# Altium PCB PCB_Kasli.PCBDOC (part 3 of 14) (continued)
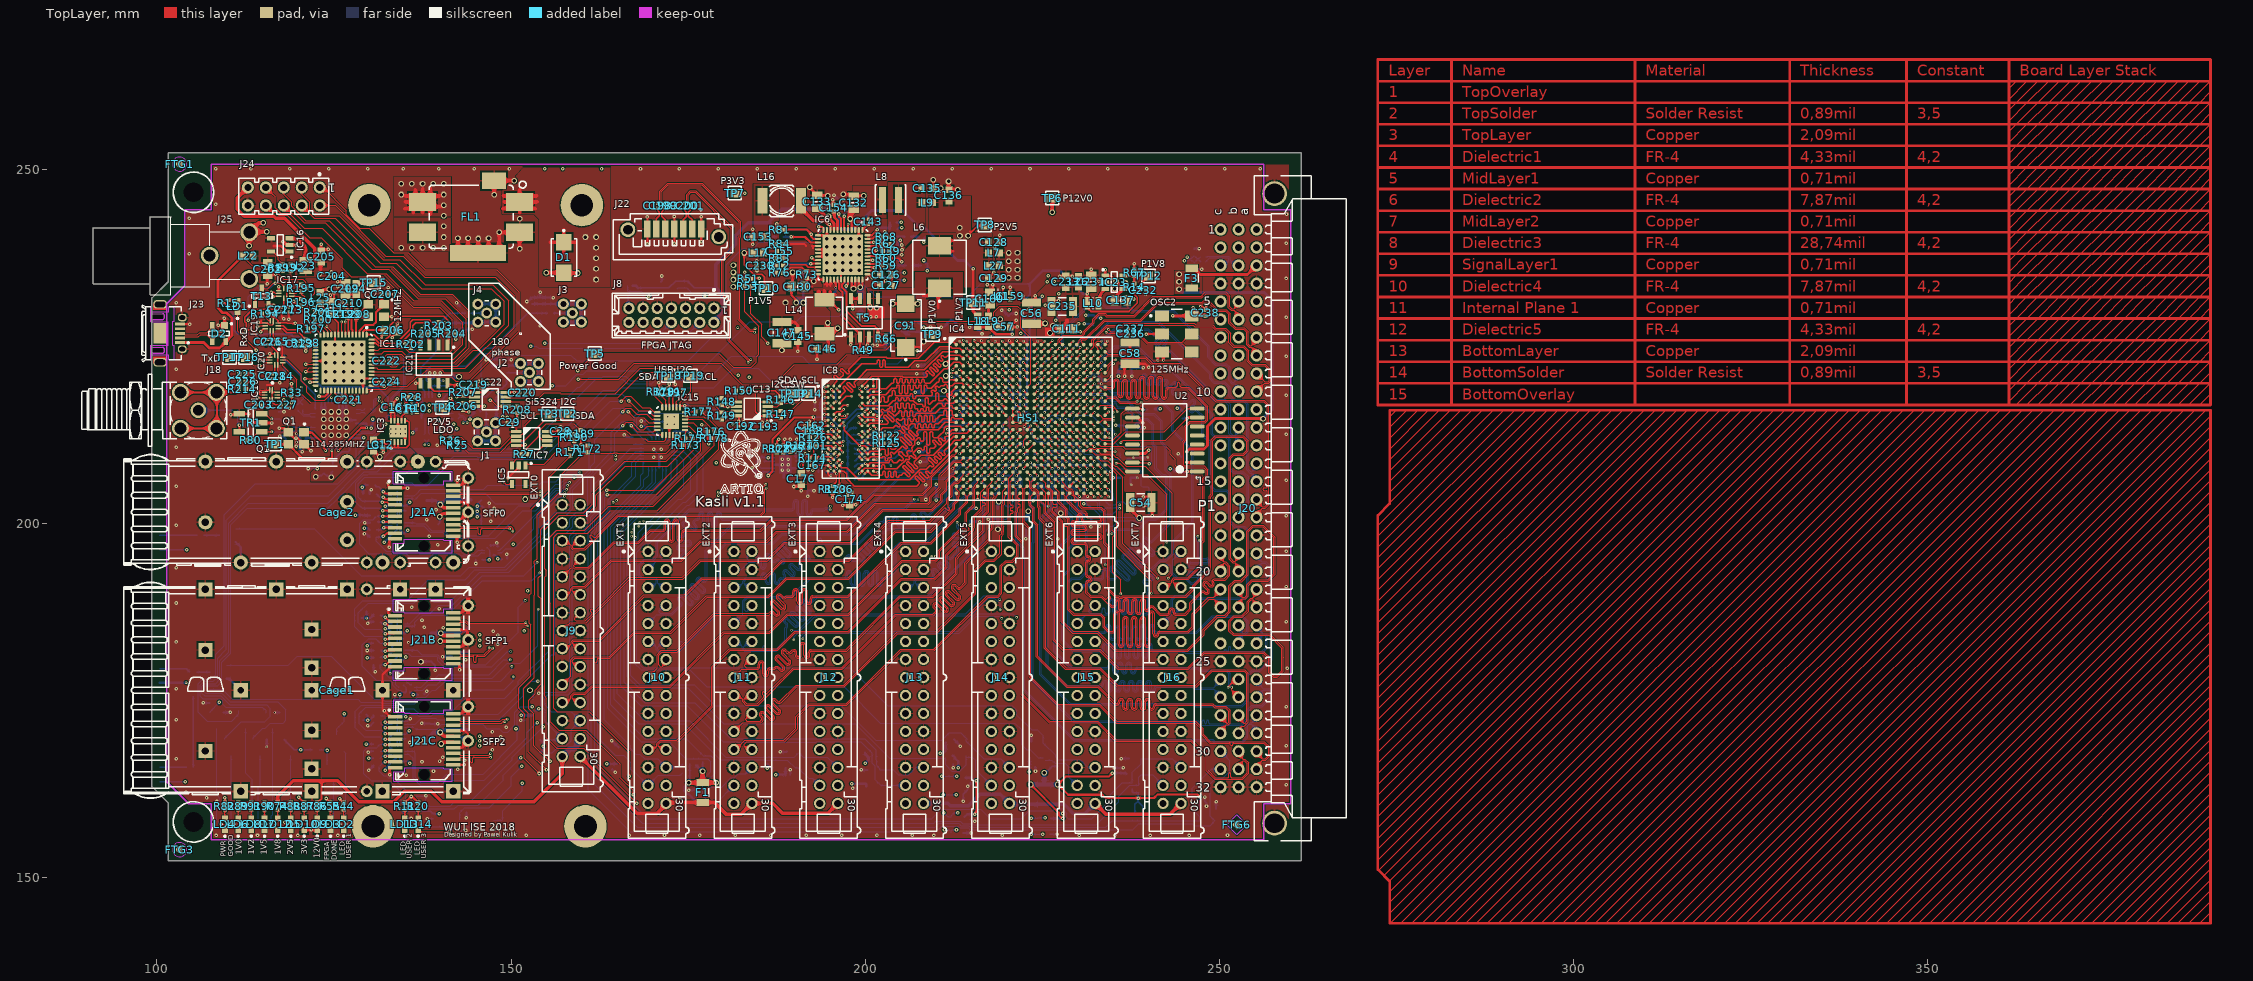
[diagram p0: TopLayer view]
## Part data (continued)
R1 R2 R27 R33 R51 R58 R72 R73 R127 R128 R129 R130A R130B R130C R134A R134B R134C R137A R137B R137C R138A R138B R138C R144A R144B R144C R145A R145B R145C R150 R192 R194 R195 R196 R197 R198 R201 R202 R203 R204 R208 R209 R210 R211 R212A R212B R212C R213A R213B R213C: library part R0402_10K_1%_0.0625W_100PPM, "Resistor - 1%", Case=0402, Manufacturer=GENERIC, Manufacturer1 ComponentHeight=0.4mm, Manufacturer1 Example="YAGEO PHYCOMP", Manufacturer1 Part Number=232270671003L, Power=0.0625W, Tolerance=±1%, Author="CERN DEM JLC", Component Type=Standard, CreateDate=03.12.2007, HelpURL=\\cern.ch\dfs\Applications\Altium\Datasheets\R0402_Phycomp_RC0402.pdf, LatestRevisionDate=17.10.2012, Manufacturer Part Number=R0402_10K_1%_0.0625W_100PPM, Mounted=Yes, Part Description="General Purpose Thick Film Chip Resistor", Part Number=R0402_10K_1%_0.0625W_100PPM, Pin Count=2, PressFit=No, Sense=No, SMD=Yes, Socket=No, Status="Not Recommended", TC=±100ppm/°C
  R58: ClassName=FPGA_JTAG
R3 R9 R191: library part R0402_100R_1%_0.0625W_100PPM, "Resistor - 1%", Case=0402, Manufacturer=GENERIC, Manufacturer1 ComponentHeight=0.4mm, Manufacturer1 Example="YAGEO PHYCOMP", Manufacturer1 Part Number=232270671001L, Power=0.0625W, Tolerance=±1%, Author="CERN DEM JLC", Component Type=Standard, CreateDate=03.12.2007, HelpURL=\\cern.ch\dfs\Applications\Altium\Datasheets\R0402_Phycomp_RC0402.pdf, LatestRevisionDate=17.10.2012, Manufacturer Part Number=R0402_100R_1%_0.0625W_100PPM, Mounted=Yes, Part Description="General Purpose Thick Film Chip Resistor", Part Number=R0402_100R_1%_0.0625W_100PPM, Pin Count=2, PressFit=No, Sense=No, SMD=Yes, Socket=No, Status="Not Recommended", TC=±100ppm/°C
  R191: ClassName=Artix
R4 R6 R7 R8 R16 R18 R21 R22 R24 R38 R39: library part R0402_200R_1%_0.0625W_100PPM, "Resistor - 1%", Case=0402, Manufacturer=GENERIC, Manufacturer1 ComponentHeight=0.4mm, Manufacturer1 Example="YAGEO PHYCOMP", Manufacturer1 Part Number=232270672001L, Power=0.0625W, Tolerance=±1%, Author="CERN DEM JLC", Component Type=Standard, CreateDate=03.12.2007, HelpURL=\\cern.ch\dfs\Applications\Altium\Datasheets\R0402_Phycomp_RC0402.pdf, LatestRevisionDate=17.10.2012, Manufacturer Part Number=R0402_200R_1%_0.0625W_100PPM, Mounted=Yes, Part Description="General Purpose Thick Film Chip Resistor", Part Number=R0402_200R_1%_0.0625W_100PPM, Pin Count=2, PressFit=No, Sense=No, SMD=Yes, Socket=No, Status="Not Recommended", TC=±100ppm/°C
R10 R14 R68 R83: library part R0402_24K_1%_0.0625W_100PPM, "Resistor - 1%", Case=0402, Manufacturer=GENERIC, Manufacturer1 ComponentHeight=0.4mm, Manufacturer1 Example="YAGEO PHYCOMP", Manufacturer1 Part Number=232270672403L, Power=0.0625W, Tolerance=±1%, Author="CERN DEM JLC", Component Type=Standard, CreateDate=03.12.2007, HelpURL=\\cern.ch\dfs\Applications\Altium\Datasheets\R0402_Phycomp_RC0402.pdf, LatestRevisionDate=17.10.2012, Manufacturer Part Number=R0402_24K_1%_0.0625W_100PPM, Mounted=Yes, Part Description="General Purpose Thick Film Chip Resistor", Part Number=R0402_24K_1%_0.0625W_100PPM, Pin Count=2, PressFit=No, Sense=No, SMD=Yes, Socket=No, Status="Not Recommended", TC=±100ppm/°C
R11 R15 R20 R44 R55 R82 R87: library part R0402_1k_1%_0.0625W_100PPM, "Resistor - 1%", Case=0402, Manufacturer=GENERIC, Manufacturer1 ComponentHeight=0.4mm, Manufacturer1 Example="YAGEO PHYCOMP", Manufacturer1 Part Number=232270671002L, Manufacturer Part Number=R0402_1K_1%_0.0625W_100PPM, Power=0.0625W, Tolerance=±1%, Author="CERN DEM JLC", Component Type=Standard, CreateDate=03.12.2007, HelpURL=\\cern.ch\dfs\Applications\Altium\Datasheets\R0402_Phycomp_RC0402.pdf, LatestRevisionDate=17.10.2012, Mounted=Yes, Part Description="General Purpose Thick Film Chip Resistor", Part Number=R0402_1K_1%_0.0625W_100PPM, Pin Count=2, PressFit=No, Sense=No, SMD=Yes, Socket=No, Status="Not Recommended", TC=±100ppm/°C
  R11 R20 R44 R55: ClassName=Artix
R12: library part R0402_5K6_1%_0.0625W_100PPM, "Resistor - 1%", Case=0402, Manufacturer=GENERIC, Manufacturer1 ComponentHeight=0.4mm, Manufacturer1 Example="YAGEO PHYCOMP", Manufacturer1 Part Number=232270675602L, Power=0.0625W, Tolerance=±1%, Author="CERN DEM JLC", Component Type=Standard, CreateDate=03.12.2007, HelpURL=\\cern.ch\dfs\Applications\Altium\Datasheets\R0402_Phycomp_RC0402.pdf, LatestRevisionDate=17.10.2012, Manufacturer Part Number=R0402_5K6_1%_0.0625W_100PPM, Mounted=Yes, Part Description="General Purpose Thick Film Chip Resistor", Part Number=R0402_5K6_1%_0.0625W_100PPM, Pin Count=2, PressFit=No, Sense=No, SMD=Yes, Socket=No, Status="Not Recommended", TC=±100ppm/°C
R13 R46 R47 R48 R53 R54 R56 R80 R152 R153 R154 R177 R179 R181: library part R0402_0R_JUMPER, "Resistor", Case=0402, Manufacturer=GENERIC, Manufacturer1 ComponentHeight=0.4mm, Manufacturer1 Example="YAGEO PHYCOMP", Manufacturer1 Part Number=232270591001L, Author="CERN DEM JLC", Component Type=Standard, CreateDate=03.12.2007, HelpURL=\\cern.ch\dfs\Applications\Altium\Datasheets\R0402_Phycomp_RC0402.pdf, LatestRevisionDate=17.10.2012, Manufacturer Part Number=R0402_0R_JUMPER, Mounted=Yes, Part Description="1A (0.05R Max DC Resistance) Zero Ohm Jumper", Part Number=R0402_0R_JUMPER, Pin Count=2, PressFit=No, Sense=No, SMD=Yes, Socket=No, Status="Not Recommended"
  R46 R47 R48 R53 R54 R56: ClassName=Artix
R17 R61: library part R0402_4K7_1%_0.0625W_100PPM, "Resistor - 1%", Case=0402, Manufacturer=GENERIC, Manufacturer1 ComponentHeight=0.4mm, Manufacturer1 Example="YAGEO PHYCOMP", Manufacturer1 Part Number=232270674702L, Power=0.0625W, Tolerance=±1%, Author="CERN DEM JLC", Component Type=Standard, CreateDate=03.12.2007, HelpURL=\\cern.ch\dfs\Applications\Altium\Datasheets\R0402_Phycomp_RC0402.pdf, LatestRevisionDate=17.10.2012, Manufacturer Part Number=R0402_4K7_1%_0.0625W_100PPM, Mounted=Yes, Part Description="General Purpose Thick Film Chip Resistor", Part Number=R0402_4K7_1%_0.0625W_100PPM, Pin Count=2, PressFit=No, Sense=No, SMD=Yes, Socket=No, Status="Not Recommended", TC=±100ppm/°C
R19 R23 R25 R26 R45 R94 R95 R96 R146 R147 R148 R149 R151 R155 R156 R157 R158 R159 R160 R161 R162 R163 R164 R165 R166 R167 R168 R169 R170 R171 R172 R173 R175 R176 R178 R180 R182 R183 R184 R185 R186 R187 R188 R189 R190 R193 R200 R205 R206 R207: library part R0402_2K2_1%_0.0625W_100PPM, "Resistor - 1%", Case=0402, Manufacturer=GENERIC, Manufacturer1 ComponentHeight=0.4mm, Manufacturer1 Example="YAGEO PHYCOMP", Manufacturer1 Part Number=232270672202L, Power=0.0625W, Tolerance=±1%, Author="CERN DEM JLC", Component Type=Standard, CreateDate=03.12.2007, HelpURL=\\cern.ch\dfs\Applications\Altium\Datasheets\R0402_Phycomp_RC0402.pdf, LatestRevisionDate=17.10.2012, Manufacturer Part Number=R0402_2K2_1%_0.0625W_100PPM, Mounted=Yes, Part Description="General Purpose Thick Film Chip Resistor", Part Number=R0402_2K2_1%_0.0625W_100PPM, Pin Count=2, PressFit=No, Sense=No, SMD=Yes, Socket=No, Status="Not Recommended", TC=±100ppm/°C
  R19 R23 R45 R94 R95 R96: ClassName=Artix
R28 R42 R43 R52: library part R0402_1K_1%_0.0625W_100PPM, "Resistor - 1%", Case=0402, Manufacturer=GENERIC, Manufacturer1 ComponentHeight=0.4mm, Manufacturer1 Example="YAGEO PHYCOMP", Manufacturer1 Part Number=232270671002L, Power=0.0625W, Tolerance=±1%, Author="CERN DEM JLC", Component Type=Standard, CreateDate=03.12.2007, HelpURL=\\cern.ch\dfs\Applications\Altium\Datasheets\R0402_Phycomp_RC0402.pdf, LatestRevisionDate=17.10.2012, Manufacturer Part Number=R0402_1K_1%_0.0625W_100PPM, Mounted=Yes, Part Description="General Purpose Thick Film Chip Resistor", Part Number=R0402_1K_1%_0.0625W_100PPM, Pin Count=2, PressFit=No, Sense=No, SMD=Yes, Socket=No, Status="Not Recommended", TC=±100ppm/°C
  R42 R43 R52: ClassName=Artix
R29 R30 R31 R32 R214: library part R0402_100K_1%_0.0625W_100PPM, "Resistor - 1%", Case=0402, Manufacturer=GENERIC, Manufacturer1 ComponentHeight=0.4mm, Manufacturer1 Example="YAGEO PHYCOMP", Manufacturer1 Part Number=232270671004L, Power=0.0625W, Tolerance=±1%, Author="CERN DEM JLC", Component Type=Standard, CreateDate=03.12.2007, HelpURL=\\cern.ch\dfs\Applications\Altium\Datasheets\R0402_Phycomp_RC0402.pdf, LatestRevisionDate=17.10.2012, Manufacturer Part Number=R0402_100K_1%_0.0625W_100PPM, Mounted=Yes, Part Description="General Purpose Thick Film Chip Resistor", Part Number=R0402_100K_1%_0.0625W_100PPM, Pin Count=2, PressFit=No, Sense=No, SMD=Yes, Socket=No, Status="Not Recommended", TC=±100ppm/°C
R49 R66: library part R0402_22K_1%_0.0625W_100PPM, "Resistor - 1%", Case=0402, Manufacturer=GENERIC, Manufacturer1 ComponentHeight=0.4mm, Manufacturer1 Example="YAGEO PHYCOMP", Manufacturer1 Part Number=232270672203L, Power=0.0625W, Tolerance=±1%, Author="CERN DEM JLC", Component Type=Standard, CreateDate=03.12.2007, HelpURL=\\cern.ch\dfs\Applications\Altium\Datasheets\R0402_Phycomp_RC0402.pdf, LatestRevisionDate=17.10.2012, Manufacturer Part Number=R0402_22K_1%_0.0625W_100PPM, Mounted=Yes, Part Description="General Purpose Thick Film Chip Resistor", Part Number=R0402_22K_1%_0.0625W_100PPM, Pin Count=2, PressFit=No, Sense=No, SMD=Yes, Socket=No, Status="Not Recommended", TC=±100ppm/°C
R57: library part R0402_300R_1%_0.0625W_100PPM, "Resistor - 1%", Case=0402, Manufacturer=GENERIC, Manufacturer1 ComponentHeight=0.4mm, Manufacturer1 Example="YAGEO PHYCOMP", Manufacturer1 Part Number=232270673001L, Power=0.0625W, Tolerance=±1%, Author="CERN DEM JLC", Component Type=Standard, CreateDate=03.12.2007, HelpURL=\\cern.ch\dfs\Applications\Altium\Datasheets\R0402_Phycomp_RC0402.pdf, LatestRevisionDate=17.10.2012, Manufacturer Part Number=R0402_300R_1%_0.0625W_100PPM, Mounted=Yes, Part Description="General Purpose Thick Film Chip Resistor", Part Number=R0402_300R_1%_0.0625W_100PPM, Pin Count=2, PressFit=No, Sense=No, SMD=Yes, Socket=No, Status="Not Recommended", TC=±100ppm/°C
R59 R65 R75 R78 R79: library part R0402_7K5_1%_0.0625W_100PPM, "Resistor - 1%", Case=0402, Manufacturer=GENERIC, Manufacturer1 ComponentHeight=0.4mm, Manufacturer1 Example="YAGEO PHYCOMP", Manufacturer1 Part Number=232270677502L, Power=0.0625W, Tolerance=±1%, Author="CERN DEM JLC", Component Type=Standard, CreateDate=03.12.2007, HelpURL=\\cern.ch\dfs\Applications\Altium\Datasheets\R0402_Phycomp_RC0402.pdf, LatestRevisionDate=17.10.2012, Manufacturer Part Number=R0402_7K5_1%_0.0625W_100PPM, Mounted=Yes, Part Description="General Purpose Thick Film Chip Resistor", Part Number=R0402_7K5_1%_0.0625W_100PPM, Pin Count=2, PressFit=No, Sense=No, SMD=Yes, Socket=No, Status="Not Recommended", TC=±100ppm/°C
R60: library part R0402_2K4_1%_0.0625W_100PPM, "Resistor - 1%", Case=0402, Manufacturer=GENERIC, Manufacturer1 ComponentHeight=0.4mm, Manufacturer1 Example="YAGEO PHYCOMP", Manufacturer1 Part Number=232270672402L, Power=0.0625W, Tolerance=±1%, Author="CERN DEM JLC", Component Type=Standard, CreateDate=03.12.2007, HelpURL=\\cern.ch\dfs\Applications\Altium\Datasheets\R0402_Phycomp_RC0402.pdf, LatestRevisionDate=17.10.2012, Manufacturer Part Number=R0402_2K4_1%_0.0625W_100PPM, Mounted=Yes, Part Description="General Purpose Thick Film Chip Resistor", Part Number=R0402_2K4_1%_0.0625W_100PPM, Pin Count=2, PressFit=No, Sense=No, SMD=Yes, Socket=No, Status="Not Recommended", TC=±100ppm/°C
R62 R92: library part R0402_51K_1%_0.0625W_100PPM, "Resistor - 1%", Case=0402, Manufacturer=GENERIC, Manufacturer1 ComponentHeight=0.4mm, Manufacturer1 Example="YAGEO PHYCOMP", Manufacturer1 Part Number=232270674703L, Power=0.0625W, Tolerance=±1%, Author="CERN DEM JLC", Component Type=Standard, CreateDate=03.12.2007, HelpURL=\\cern.ch\dfs\Applications\Altium\Datasheets\R0402_Phycomp_RC0402.pdf, LatestRevisionDate=17.10.2012, Manufacturer Part Number=R0402_51K_1%_0.0625W_100PPM, Mounted=Yes, Part Description="General Purpose Thick Film Chip Resistor", Part Number=R0402_51K_1%_0.0625W_100PPM, Pin Count=2, PressFit=No, Sense=No, SMD=Yes, Socket=No, Status="Not Recommended", TC=±100ppm/°C
R63 R70 R81 R122 R123 R126: library part R0402_5K1_1%_0.0625W_100PPM, "Resistor - 1%", Case=0402, Manufacturer=GENERIC, Manufacturer1 ComponentHeight=0.4mm, Manufacturer1 Example="YAGEO PHYCOMP", Manufacturer1 Part Number=232270675102L, Power=0.0625W, Tolerance=±1%, Author="CERN DEM JLC", Component Type=Standard, CreateDate=03.12.2007, HelpURL=\\cern.ch\dfs\Applications\Altium\Datasheets\R0402_Phycomp_RC0402.pdf, LatestRevisionDate=17.10.2012, Manufacturer Part Number=R0402_5K1_1%_0.0625W_100PPM, Mounted=Yes, Part Description="General Purpose Thick Film Chip Resistor", Part Number=R0402_5K1_1%_0.0625W_100PPM, Pin Count=2, PressFit=No, Sense=No, SMD=Yes, Socket=No, Status="Not Recommended", TC=±100ppm/°C
R64 R71 R76: library part R0402_910R_1%_0.0625W_100PPM, "Resistor - 1%", Case=0402, Manufacturer=GENERIC, Manufacturer1 ComponentHeight=0.4mm, Manufacturer1 Example="YAGEO PHYCOMP", Manufacturer1 Part Number=232270679101L, Power=0.0625W, Tolerance=±1%, Author="CERN DEM JLC", Component Type=Standard, CreateDate=03.12.2007, HelpURL=\\cern.ch\dfs\Applications\Altium\Datasheets\R0402_Phycomp_RC0402.pdf, LatestRevisionDate=17.10.2012, Manufacturer Part Number=R0402_910R_1%_0.0625W_100PPM, Mounted=Yes, Part Description="General Purpose Thick Film Chip Resistor", Part Number=R0402_910R_1%_0.0625W_100PPM, Pin Count=2, PressFit=No, Sense=No, SMD=Yes, Socket=No, Status="Not Recommended", TC=±100ppm/°C
R67 R199: library part R0402_12K_1%_0.0625W_100PPM, "Resistor - 1%", Case=0402, Manufacturer=GENERIC, Manufacturer1 ComponentHeight=0.4mm, Manufacturer1 Example="YAGEO PHYCOMP", Manufacturer1 Part Number=232270671203L, Power=0.0625W, Tolerance=±1%, Author="CERN DEM JLC", Component Type=Standard, CreateDate=03.12.2007, HelpURL=\\cern.ch\dfs\Applications\Altium\Datasheets\R0402_Phycomp_RC0402.pdf, LatestRevisionDate=17.10.2012, Manufacturer Part Number=R0402_12K_1%_0.0625W_100PPM, Mounted=Yes, Part Description="General Purpose Thick Film Chip Resistor", Part Number=R0402_12K_1%_0.0625W_100PPM, Pin Count=2, PressFit=No, Sense=No, SMD=Yes, Socket=No, Status="Not Recommended", TC=±100ppm/°C
R69 R124 R125 R143A R143B R143C: library part R0402_240R_1%_0.0625W_100PPM, "Resistor - 1%", Case=0402, Manufacturer=GENERIC, Manufacturer1 ComponentHeight=0.4mm, Manufacturer1 Example="YAGEO PHYCOMP", Manufacturer1 Part Number=232270672401L, Power=0.0625W, Tolerance=±1%, Author="CERN DEM JLC", Component Type=Standard, CreateDate=03.12.2007, HelpURL=\\cern.ch\dfs\Applications\Altium\Datasheets\R0402_Phycomp_RC0402.pdf, LatestRevisionDate=17.10.2012, Manufacturer Part Number=R0402_240R_1%_0.0625W_100PPM, Mounted=Yes, Part Description="General Purpose Thick Film Chip Resistor", Part Number=R0402_240R_1%_0.0625W_100PPM, Pin Count=2, PressFit=No, Sense=No, SMD=Yes, Socket=No, Status="Not Recommended", TC=±100ppm/°C
R74 R86 R88 R89 R90 R91: library part R0402_10k_1%_0.0625W_100PPM, "Resistor - 1%", Case=0402, Manufacturer=GENERIC, Manufacturer1 ComponentHeight=0.4mm, Manufacturer1 Example="YAGEO PHYCOMP", Manufacturer1 Part Number=232270671003L, Manufacturer Part Number=R0402_10K_1%_0.0625W_100PPM, Power=0.0625W, Tolerance=±1%, Author="CERN DEM JLC", Component Type=Standard, CreateDate=03.12.2007, HelpURL=\\cern.ch\dfs\Applications\Altium\Datasheets\R0402_Phycomp_RC0402.pdf, LatestRevisionDate=17.10.2012, Mounted=Yes, Part Description="General Purpose Thick Film Chip Resistor", Part Number=R0402_10K_1%_0.0625W_100PPM, Pin Count=2, PressFit=No, Sense=No, SMD=Yes, Socket=No, Status="Not Recommended", TC=±100ppm/°C
R77: library part R0402_30K_1%_0.0625W_100PPM, "Resistor - 1%", Case=0402, Manufacturer=GENERIC, Manufacturer1 ComponentHeight=0.4mm, Manufacturer1 Example="YAGEO PHYCOMP", Manufacturer1 Part Number=232270673003L, Power=0.0625W, Tolerance=±1%, Author="CERN DEM JLC", Component Type=Standard, CreateDate=03.12.2007, HelpURL=\\cern.ch\dfs\Applications\Altium\Datasheets\R0402_Phycomp_RC0402.pdf, LatestRevisionDate=17.10.2012, Manufacturer Part Number=R0402_30K_1%_0.0625W_100PPM, Mounted=Yes, Part Description="General Purpose Thick Film Chip Resistor", Part Number=R0402_30K_1%_0.0625W_100PPM, Pin Count=2, PressFit=No, Sense=No, SMD=Yes, Socket=No, Status="Not Recommended", TC=±100ppm/°C
R84: library part R0402_27K_1%_0.0625W_100PPM, "Resistor - 1%", Case=0402, Manufacturer=GENERIC, Manufacturer1 ComponentHeight=0.4mm, Manufacturer1 Example="YAGEO PHYCOMP", Manufacturer1 Part Number=232270672703L, Power=0.0625W, Tolerance=±1%, Author="CERN DEM JLC", Component Type=Standard, CreateDate=03.12.2007, HelpURL=\\cern.ch\dfs\Applications\Altium\Datasheets\R0402_Phycomp_RC0402.pdf, LatestRevisionDate=17.10.2012, Manufacturer Part Number=R0402_27K_1%_0.0625W_100PPM, Mounted=Yes, Part Description="General Purpose Thick Film Chip Resistor", Part Number=R0402_27K_1%_0.0625W_100PPM, Pin Count=2, PressFit=No, Sense=No, SMD=Yes, Socket=No, Status="Not Recommended", TC=±100ppm/°C
R85: library part "43k2 1% 0402", "Resistor - 1%", Case=0402, Power=0.063W, Tolerance=±1%
R93: library part R0402_36K_1%_0.0625W_100PPM, "Resistor - 1%", Case=0402, Manufacturer=GENERIC, Manufacturer1 ComponentHeight=0.4mm, Manufacturer1 Example="YAGEO PHYCOMP", Manufacturer1 Part Number=232270673603L, Power=0.0625W, Tolerance=±1%, Author="CERN DEM JLC", Component Type=Standard, CreateDate=03.12.2007, HelpURL=\\cern.ch\dfs\Applications\Altium\Datasheets\R0402_Phycomp_RC0402.pdf, LatestRevisionDate=17.10.2012, Manufacturer Part Number=R0402_36K_1%_0.0625W_100PPM, Mounted=Yes, Part Description="General Purpose Thick Film Chip Resistor", Part Number=R0402_36K_1%_0.0625W_100PPM, Pin Count=2, PressFit=No, Sense=No, SMD=Yes, Socket=No, Status="Not Recommended", TC=±100ppm/°C
R99 R100 R101 R102 R103 R104 R105 R106 R107 R108 R109 R110 R111 R112 R113 R114 R115 R116 R117 R118 R120 R121: library part R0402_51R_1%_0.0625W_100PPM, "Resistor - 1%", Case=0402, Manufacturer=GENERIC, Manufacturer1 ComponentHeight=0.4mm, Manufacturer1 Example=PHYCOMP, Manufacturer1 Part Number=232270675109, Power=0.0625W, Tolerance=±1%, Author="CERN DEM JLC", Component Type=Standard, CreateDate=03/12/2007, HelpURL=\\cern.ch\dfs\Applications\Altium\Datasheets\R0402_Phycomp_RC0402.pdf, LatestRevisionDate=13/03/2008, Manufacturer Part Number=R0402_51R_1%_0.0625W_100PPM, Mounted=Yes, Part Description="General Purpose Thick Film Chip Resistor", Part Number=R0402_51R_1%_0.0625W_100PPM, Pin Count=2, SMD=Yes, Socket=No, Status="Not recommended", Table="Resistors SMD", TC=±100ppm/°C
R119: library part R0402_51R_1%_0.0625W_100PPM, "Resistor - 1%", Manufacturer=GENERIC, Manufacturer1 ComponentHeight=0.4mm, Manufacturer1 Example=PHYCOMP, Manufacturer1 Part Number=232270675109, Power=0.0625W, Tolerance=±1%, Author="CERN DEM JLC", Component Type=Standard, CreateDate=03/12/2007, HelpURL=\\cern.ch\dfs\Applications\Altium\Datasheets\R0402_Phycomp_RC0402.pdf, LatestRevisionDate=13/03/2008, Manufacturer Part Number=R0402_51R_1%_0.0625W_100PPM, Mounted=Yes, Part Description="General Purpose Thick Film Chip Resistor", Part Number=R0402_51R_1%_0.0625W_100PPM, Pin Count=2, SMD=Yes, Socket=No, Status="Not recommended", Table="Resistors SMD", TC=±100ppm/°C
T1 T2 T3 T4 T6 T7 T8 T9 T10 T11A T11B T11C T12 T13 T14 T15: "N-CHANNEL MOSFET WITH DIODE", Case=SOT23-3, Manufacturer=NEXPERIA, Author="CERN DEM JLC", Bonding=No, ComponentHeight=1.1mm, Component Type=Standard, CreateDate=16.03.2010, Device=BSH103, HelpURL=\\cern.ch\dfs\Applications\Altium\Datasheets\BSH103.pdf, LatestRevisionDate=20.06.2017, Manufacturer Part Number=BSH103, Mounted=Yes, PackageDescription="SOT23, 3 pin, Pitch 0.95mm - 1.3mm W X 2.9mm L X 1.1mm H, IPC Medium Density", Part Description="30V 850mA N-Channel Enhancement Mode Field-Effect Transistor", Part Number=BSH103, Pin Count=3, PressFit=No, Sense=No, SMD=Yes, Socket=No
  T2 T3 T4 T12: ClassName=Artix
T5: "20V DUAL N-Channel 2.5V Specified PowerTrench MOSFET", Case=SOIC8, Manufacturer="FAIRCHILD SEMICONDUCTOR", Author="CERN DEM BC", Bonding=No, ComponentHeight=1.75mm, Component Type=Standard, CreateDate=2015-09-02, Device=FDS9926A, HelpURL=\\cern.ch\dfs\Applications\Altium\Datasheets\FDS9926A.pdf, LatestRevisionDate=2015-09-02, Manufacturer Part Number=FDS9926A, Mounted=Yes, PackageDescription="SOIC 8, Pitch 1.27mm - Body 4x5mm, IPC Medium Density", Part Description="20V DUAL N-Channel 2.5V Specified PowerTrench® MOSFET", Part Number=FDS9926A, Pin Count=8, PressFit=No, Sense=No, SMD=Yes, Socket=No
TP1 TP2 TP3 TP4 TP5 TP6 TP7 TP8 TP9 TP10 TP11 TP12 TP13 TP14 TP15 TP16 TP17 TP18 TP19: library part SMD_PAD_1.27X1.27MM, "Test Point", Author="CERN DEM JLC", ComponentHeight=0mm, Component Type="Standard (No BOM)", CreateDate=12.01.2008, Family="Test Point", HelpURL=Undefined, LatestRevisionDate=12.01.2008, Mounted=No, PackageDescription="1.27mm x 1.27mm PCB Copper Area (SMD Test Point)", Part Description="1.27mm x 1.27mm PCB Copper Area (SMD Test Point)", Part Number=SMD_PAD_1.27X1.27MM, Pin Count=1, Sense=No, SMD=Yes, Socket=No, Status=None
TR1: library part XFMR_MINI-CIRCUITS_TC2-1TX+, "50 Ohm 3 to 300MHz RF Transformers", Manufacturer=MINI-CIRCUITS, Manufacturer Part Number=TC2-1TX+, HelpURL=https://ww2.minicircuits.com/pdfs/TC2-1TX+.pdf
U1: library part CMP-0062-00810-3, "300mA Linear Voltage Regulator for Digital Applications, 4-pin Micro SMD, Pb-Free", Manufacturer="Texas Instruments", PackageTopMarking=X*I, PowerWise=Y, Code_JEDEC=MO-211-BA, ComponentLink1Description="Datasheet URL", ComponentLink1URL=http://www.ti.com/general/docs/lit/getliterature.tsp?genericPartNumber=LP3991&fileType=pdf, CompType="LDO IC", High-Reliability=Y, PackageDescription="Thin Micro SMD, 4 Bump (Large), 0.5mm Pitch", PackageReference=YZR0004ABBA, PartNumber=LP3991TL-1.2/NOPB, PinCount=4, RoHS=Y
U2: library part CMP-1329-00021-1, "MirrorBit Flash Non-Volatile Memory CMOS 3.0 Volt Core with Versatile I/O, Serial Peripheral Interface with Multi-I/O, 128 Mbit, 133 MHz, -40 to 85 degC, 16-Pin SO (SO3016), RoHS, Tube", Manufacturer=Spansion, Temperature Range="-40 to 85 degC", ComponentLink1Description="Manufacturer URL", ComponentLink1URL=http://www.spansion.com/Pages/Default.aspx, ComponentLink2Description=Datasheet, ComponentLink2URL=http://www.spansion.com/Support/Datasheets/S25FL128S_256S_00.pdf, ComponentLink3Description="Package Specification", ComponentLink3URL=http://www.spansion.com/Support/Datasheets/S25FL128S_256S_00.pdf, DatasheetVersion="Rev. 08", Density="128 Mbit", Mounting Technology="Surface Mount", OTP="1024 B", PackageDescription="16-Pin Wide Plastic Small Outline Package, Body 10.3 x 7.5 mm, Pitch 1.27 mm", Packing=Tube, PartNumber=S25FL128SAGMFIR01, RoHS=TRUE, Speed="133 MHz", VCC="2.7 to 3.6 V"

## Free pads (board coordinates)
  round 6 hole 3.2: 0(160.508,157.296) 1(160,245) 2(130,245) 3(130.508,157.296)
  round 1.27 hole 2.794: 1(105.156,246.812) 2(105.156,157.912)
  round 0 on Mech16 paste+0 mask+0: 1(164.846,202.184) 1(188.468,181.864)

## Via types
v1: diameter 0.5, hole 0.2, TopLayer to BottomLayer, tented both sides, 724 vias
v2: diameter 0.35, hole 0.15, TopLayer to BottomLayer, tented both sides, 628 vias
v3: diameter 0.8, hole 0.5, TopLayer to BottomLayer, tented both sides, 122 vias
v4: diameter 0.8, hole 0.5, TopLayer to BottomLayer, 66 vias
v5: diameter 0.5, hole 0.2, TopLayer to BottomLayer, 20 vias

## Nets (pads, with @x,y where several pads share a name; then routed paths per layer and width w, separated by ;. In a path a pad name is that pad's centre, name@x,y a point inside that pad or via, vN(x,y) a via of type N, cw(c..) or ccw(c..) an arc to the next point about the centre after c; other vN are vias at no path point)
\VUSB_PRESENT_2V5: IC4.N13 R209.1 T14.3 | length 83
  TopLayer w0.125: IC4.N13@224.872,213.315 225.337,212.85 v2(225.375,212.85)
  MidLayer2 w0.1: v1(177.375,232.241) 177.742,232.608 220.858,232.608 223.275,235.025 v1(225.875,235.025)
  SignalLayer1 w0.1: v2(225.375,212.85) 224.85,213.375 224.85,214.4 223.625,215.625 223.625,216.275 222.625,217.275 221.15,217.275 220.825,217.6 220.825,219.91 220.736,219.999 220.736,222.086 221.061,222.411 222.986,222.411 223.997,223.422 223.997,223.973 224,223.976 224,224.657 223.997,224.66 223.997,231.511 224.486,232 224.486,233.636 v1(225.875,235.025)
  BottomLayer w0.1: T14.3@173.45,233.2 173.58,233.33 R209.1@174.8,233.33 175.889,232.241 v1(177.375,232.241)
CFG_CCLK: IC4.L12 U2.16 | length 23.1
  TopLayer w0.1: IC4.L12@223.872,215.315 v2(224.372,215.815)
  TopLayer w0.125: v2(235.436,208.535) 235.965,208.535 U2.16@237.109,207.391
  MidLayer2 w0.125: v2(235.325,212.65) 235.473,212.65 236.525,211.598 236.525,210 235.436,208.911 v2(235.436,208.535)
  BottomLayer w0.1: v2(224.372,215.815) 224.3,215.743 224.3,215.023 224.773,214.55 225.559,214.55 226.348,215.339 227.486,215.339 227.875,214.95 227.875,214.5 228.15,214.225 229.125,214.225 229.425,214.525 229.425,214.95 229.8,215.325 231.975,215.325 233.825,213.475 234.749,213.475 235.149,213.075 235.149,212.826 v2(235.325,212.65)
CFG_D02: IC4.P21 R96.1 U2.9 | length 10
  TopLayer w0.125: IC4.P21@232.872,212.315 233.414,211.773 234.996,211.773 236.174,212.951 236.174,215.549 U2.9@236.906,216.281
  TopLayer w0.15: U2.9@237.741,216.281 239.041,216.281 v1(239.212,216.111)
  BottomLayer w0.15: v1(239.212,216.111) 239.867,216.111 R96.1@239.985,216.229
CFG_D03: IC4.R21 R94.1 U2.1 | length 17.4
  TopLayer w0.1: IC4.R21@232.872,211.315 233.237,210.95 233.687,210.95 233.711,210.926 234.033,210.926 234.057,210.95 236.35,210.95 236.7,210.6 239.568,210.6 239.838,210.87 242.53,210.87 243.075,210.325 243.075,209.825 243.8,209.1 243.8,208.295 244.704,207.391 v1(245.509,207.391) U2.1@246.891,207.391
  BottomLayer w0.2: R94.1@244.818,207.264 245.382,207.264 v1(245.509,207.391)
CFG_DIN: IC4.R22 U2.8 | length 15.1
  TopLayer w0.125: IC4.R22@233.872,211.315 235.09,211.315 236.775,213 242.225,213 245.506,216.281 U2.8@246.891,216.281
CFG_FCS: IC4.T19 R95.1 U2.7 | length 18.9
  TopLayer w0.1: IC4.T19@230.872,210.315 231.321,210.315 231.71,210.704 232.037,210.704 232.206,210.535 232.542,210.535 232.711,210.704 233.033,210.704 233.047,210.69 233.697,210.69 233.711,210.704 234.171,210.704 234.3,210.575 v2(234.75,210.575) ; v2(236.1,211.475) 236.45,211.825 242.425,211.825 v1(245.484,214.884)
  TopLayer w0.3: v1(245.484,214.884) 245.611,215.011 U2.7@246.891,215.011
  MidLayer2 w0.1: v2(234.75,210.575) 235.2,210.575 v2(236.1,211.475)
  BottomLayer w0.3: R95.1@244.818,214.884 v1(245.484,214.884)
CFG_MOSI: IC4.P22 U2.15 | length 12.1
  TopLayer w0.125: IC4.P22@233.872,212.315 234.027,212.16 v2(234.436,212.16) ; U2.15@237.741,208.661 239.939,208.661 v1(240.125,208.475)
  BottomLayer w0.125: v2(234.436,212.16) 234.615,212.16 235.8,210.975 240.117,210.975 240.5,210.592 240.5,208.85 v1(240.125,208.475)
CFG_PUDC_B: IC4.U22 R42.1 R43.2 | length 3.1
  TopLayer w0.125: IC4.U22@233.872,209.315 234.349,209.315 234.514,209.15 v2(234.575,209.15)
  BottomLayer w0.125: v2(234.575,209.15) R43.2@235.862,209.15 ; R43.2@236.004,209.042 R42.1@236.004,210.058
CFG_TCK: IC4.V12 IC17.4 J8.6 | length 162.8
  TopLayer w0.125: IC4.V12@223.872,208.315 224.337,207.85 v2(224.375,207.85)
  TopLayer w0.15: v1(116.15,232.7) 116.163,232.687 116.588,232.687 116.738,232.537 IC17.4@117.21,232.537
  MidLayer2 w0.1: J8.6@174.644,228.438 178.007,225.075 179.225,225.075 183.1,221.2 183.1,219.225 183.325,219 183.325,212.975 v1(178.95,208.6)
  MidLayer2 w0.15: v1@116.225,232.625 v1(116.15,232.7) 113.007,232.7 112.15,231.843 112.15,230.657 112.696,230.111 115.425,230.111 116.036,229.5 119.75,229.5 120.631,228.619 125.281,228.619 125.8,228.1 133.122,228.1 133.747,228.725 135.446,228.725 135.725,228.446 135.725,228 137.275,226.45 140.849,226.45 141.469,227.069 143.231,227.069 143.801,226.5 146.486,226.5 146.9,226.086 156.339,226.086 163.925,218.5 166.875,218.5 176.775,208.6 v1(178.95,208.6)
  SignalLayer1 w0.1: v1(178.95,208.6) 179.541,208.6 184.233,203.908 186.769,203.908 187.685,204.825 190.111,204.825 190.686,205.4 195.74,205.4 195.925,205.215 196.799,205.215 197.239,204.775 197.611,204.775 198.036,205.2 204.75,205.2 206.621,207.071 210.795,207.071 212.15,208.425 213.47,208.425 214.205,209.16 214.71,209.16 214.975,209.425 214.975,209.975 215.225,210.225 222.55,210.225 223.875,208.9 223.875,208.35 v2(224.375,207.85)
CFG_TDI: IC4.R13 IC17.5 J8.10 | length 136.3
  TopLayer w0.125: IC4.R13@224.872,211.315 v2(225.372,210.815)
  TopLayer w0.15: v1@116.356,231.931 v1(116.356,232.036) 116.456,232.137 IC17.5@117.21,232.137
  MidLayer2 w0.1: J8.10@170.644,228.406 172.125,226.925 173.65,226.925 179.6,220.975 v1(182.1,220.975)
  MidLayer2 w0.15: v1(116.356,232.036) 114.326,232.036 114.055,232.308 113.333,232.308 112.55,231.525 112.55,230.875 113,230.425 116.295,230.425 116.309,230.411 119.538,230.411 120.924,229.025 125.525,229.025 125.6,228.95 126.758,228.95 127.208,228.5 133.082,228.5 134.331,229.749 140.601,229.749 141.875,228.475 142.7,228.475 144.175,227 161.25,227 161.8,227.55 164.275,227.55 164.625,227.2 169.438,227.2 J8.10@170.644,228.406
  SignalLayer1 w0.1: v1(182.1,220.975) 183.267,220.975 183.464,221.172 183.836,221.172 183.933,221.075 205.039,221.075 205.364,220.75 209.2,220.75 210.425,221.975 211.599,221.975 212.174,222.55 214.107,222.55 214.271,222.386 218.331,222.386 218.8,221.917 218.8,215.857 219.582,215.075 221.375,215.075 222.175,214.275 222.8,214.275 222.98,214.095 222.98,212.666 223.207,212.439 223.236,212.439 224.425,211.25 224.937,211.25 v2(225.372,210.815)
CFG_TDO: IC4.U13 IC19.4 J8.8 | length 139.6
  TopLayer w0.125: IC4.U13@224.872,209.315 225.348,208.839 v2(225.4,208.839)
  TopLayer w0.15: v1(114.2,227.8) 114.295,227.8 114.46,227.965 114.99,227.965 114.997,227.972 115.297,227.972 IC19.4@115.305,227.965
  MidLayer2 w0.1: J8.8@172.644,228.438 173.782,227.3 174.275,227.3 179.975,221.6 182.225,221.6 182.7,221.125 182.7,219.325 181.325,217.95 v1(181.325,214.125)
  MidLayer2 w0.125: v1(114.2,227.8) 114.3,227.7 123,227.7 123.475,227.225 129.762,227.225 130.351,227.814 132.954,227.814 133.068,227.7 135.475,227.7 137.537,225.637 142.087,225.637 142.725,225 151.375,225 151.938,225.563 154.712,225.563 v1(154.75,225.525)
  SignalLayer1 w0.1: v1(181.325,214.125) 181.325,208.35 185.106,204.569 186.544,204.569 187.925,205.95 204.675,205.95 206.3,207.575 208.95,207.575 209.55,208.175 211.11,208.175 211.52,208.585 211.71,208.585 212.05,208.925 212.925,208.925 214.398,210.398 214.571,210.398 214.598,210.425 217.575,210.425 217.985,210.835 217.985,210.975 218.234,211.225 222.494,211.225 222.748,210.971 222.748,210.627 224.149,209.226 224.544,209.226 224.932,208.839 v2(225.4,208.839)
  BottomLayer w0.125: v1(154.75,225.525) 169.731,225.525 J8.8@172.644,228.438
CFG_TMS: IC4.T13 IC19.5 J8.4 | length 130.3
  TopLayer w0.125: IC4.T13@224.872,210.315 225.377,209.81 v2(225.386,209.81)
  TopLayer w0.15: v1(114.65,227.15) 115.065,227.565 IC19.5@115.305,227.565
  MidLayer2 w0.1: J8.4@176.644,228.438 183.65,221.432 v1(183.65,220.722)
  MidLayer2 w0.125: v1(114.65,227.15) 122.8,227.15 123.025,226.925 129.985,226.925 130.635,227.575 132.85,227.575 133.247,227.178 135.147,227.178 137.126,225.199 141.676,225.199 143.101,223.774 147.3,223.774 147.436,223.637 148.492,223.637 148.628,223.774 150.801,223.774 152.127,225.1 v1(152.8,225.1)
  SignalLayer1 w0.1: v1(183.65,220.722) 200.966,220.722 201.012,220.767 201.322,220.767 201.368,220.722 202.478,220.722 202.65,220.55 209.65,220.55 210.675,221.575 211.625,221.575 212.24,222.19 217.61,222.19 217.975,221.825 217.975,215.325 218.8,214.5 220.625,214.5 221.95,213.175 221.95,212.375 223.6,210.725 224.471,210.725 v2(225.386,209.81)
  BottomLayer w0.125: v1(152.8,225.1) 153.575,225.1 153.9,224.775 172.981,224.775 J8.4@176.644,228.438
CK_FPGAIO_N: C6.2 IC4.Y19 R210.2 R211.2 | length 122
  TopLayer w0.095: IC4.Y19@230.872,206.315 v2(231.372,205.815)
  MidLayer2 w0.165: v2@138.344,211.148 138.344,210.65 138.494,210.5 140.95,210.5 141.775,209.675 144.05,209.675 146.239,207.486 150.664,207.486 152.853,209.675 161.772,209.675 164.9,206.547 v2(164.9,203.325)
  SignalLayer1 w0.165: v2(164.9,203.325) 164.9,203.2 165.447,202.653 165.447,198.9 166.704,197.642 167.594,197.642 167.619,197.667 168.621,197.667 168.659,197.706 212.427,197.706 ccw(c212.427,200.246) 214.223,198.45 215.251,199.477 cw(c215.969,198.759) 215.969,199.775 216.633,199.775 ccw(c216.633,201.092) 217.564,200.161 217.711,200.307 cw(c218.9,199.118) 218.9,200.8 225.356,200.8 227.177,202.622 230.401,202.622 230.661,202.362 231.06,202.362 231.358,202.659 v2@235.941,202.659
  BottomLayer w0.095: v2(138.382,211.185) 138.35,211.185 138.21,211.325 138.21,211.693 C6.2@138.481,211.964 ; v2(231.372,205.815) 231,205.442 231,203.661 231.218,203.442 231.648,203.442 232,203.442 232.683,203.442 233.096,203.029 233.096,202.139 233.302,201.932 233.573,201.932 R210.2@233.909,202.268 R211.2@234.951,202.268 235.498,202.268 235.93,202.7 v2(235.95,202.7)
CK_FPGAIO_P: C4.2 IC4.Y18 R1.2 R2.2 | length 123.3
  TopLayer w0.095: IC4.Y18@229.872,206.315 v2@230.378,205.809
  MidLayer2 w0.165: v2@137.869,211.123 137.869,210.453 138.297,210.025 140.753,210.025 141.578,209.2 143.853,209.2 146.042,207.011 150.861,207.011 153.05,209.2 161.575,209.2 164.4,206.375 v2(164.4,203.025)
  SignalLayer1 w0.165: v2(164.4,203.025) 164.403,203.025 164.972,202.456 164.972,198.703 166.508,197.167 167.791,197.167 167.816,197.192 168.817,197.192 168.856,197.231 212.427,197.231 ccw(c212.427,200.246) 214.558,198.113 ccw(c212.427,200.246) 214.559,198.114 215.448,199.002 cw(c216.166,198.284) 216.166,199.3 216.633,199.3 ccw(c216.633,201.092) 217.9,199.825 218.046,199.971 cw(c218.9,199.118) 218.9,200.325 225.553,200.325 227.374,202.147 230.204,202.147 230.464,201.887 231.257,201.887 231.554,202.184 v2(235.941,202.184)
  BottomLayer w0.095: C4.2@137.719,211.964 137.99,211.693 137.99,211.319 v2(137.832,211.16) ; v2(230.378,205.791) 230.378,205.809 230.78,205.407 230.78,203.57 231.127,203.222 232.591,203.222 232.876,202.938 232.876,202.048 233.211,201.712 233.573,201.712 R2.2@233.909,201.376 R1.2@234.976,201.376 235.783,202.184 v2(235.941,202.184)
CK_GTP_125_N: C237.1 OSC2.5 | length 10.7
  TopLayer w0.095: C237.1@237.84,227.584 237.888,227.537 237.888,227.507 238.2,227.195 238.396,227.195 239.929,225.662 ; 241.3,225.662 239.929,225.662 ; OSC2.5@245.922,226.822 244.762,225.662 243.562,225.662 239.929,225.662
CK_GTP_125_P: C236.1 OSC2.4 | length 9.5
  TopLayer w0.095: C236.1@237.84,226.822 237.993,226.975 238.305,226.975 239.838,225.442 243.558,225.442 244.758,225.442 245.918,224.282 OSC2.4@246.124,224.282
CK_GTP_N: C11.2 IC4.E6 | length 88.8
  TopLayer w0.095: v2(217.437,221.75) IC4.E6@217.872,221.315
  MidLayer2 w0.165: v2(143.782,214.285) 143.782,211.293 144.7,210.375 149.803,210.375 152.053,212.625 161.763,212.625 v2(164.75,209.638)
  SignalLayer1 w0.165: v2(164.75,209.638) 164.763,209.625 168,209.625 168.75,208.875 173.078,208.875 179.05,214.847 179.05,216.722 182.353,220.025 193.795,220.025 193.944,220.174 200.809,220.174 200.998,219.984 201.32,219.984 201.336,219.984 201.601,220.25 212.253,220.25 212.964,220.961 212.964,220.984 213.203,221.223 216.909,221.223 v2(217.437,221.75)
  BottomLayer w0.095: C11.2@142.514,215.616 142.785,215.345 143.166,215.345 143.62,214.891 143.62,214.447 v2(143.782,214.285)
CK_GTP_P: C8.2 IC4.F6 | length 89.3
  TopLayer w0.095: v2(217.475,220.875) 217.475,220.775 217.872,220.378 IC4.F6@217.872,220.315
  MidLayer2 w0.165: v2@143.161,214.285 v2@143.161,214.357 ; v2(143.232,214.285) 143.307,214.21 143.307,211.096 143.425,210.978 144.503,209.9 150,209.9 152.25,212.15 161.566,212.15 164.578,209.137 v2(164.75,209.137)
  SignalLayer1 w0.165: v2(164.75,209.137) 164.763,209.15 167.803,209.15 168.553,208.4 173.275,208.4 179.525,214.65 179.525,216.525 182.55,219.55 193.992,219.55 194.141,219.699 200.612,219.699 200.801,219.509 201.144,219.509 ; 201.163,219.509 201.533,219.509 201.798,219.775 212.45,219.775 213.082,220.407 216.964,220.407 217.432,220.875 v2(217.475,220.875)
  BottomLayer w0.095: C8.2@142.514,214.854 142.785,215.125 143.075,215.125 143.4,214.8 143.4,214.45 143.235,214.285 v2(143.232,214.285)
CKC_GTP_125_N: C237.2 IC4.E10 | length 20.9
  TopLayer w0.095: v2(221.372,221.815) IC4.E10@221.872,221.315 ; v2(234.35,227.45) 234.675,227.125 235.503,227.125 235.691,227.313 236.907,227.313 236.962,227.369 236.962,227.431 237.115,227.584 C237.2@237.14,227.584
  SignalLayer1 w0.115: v2(221.372,221.815) 221.755,221.433 223.116,221.433 224.116,222.433 224.562,222.433 224.755,222.625 224.755,223.071 225.116,223.432 225.557,223.432 225.755,223.63 225.755,225.071 226.094,225.41 226.678,225.41 229.06,227.793 230.937,227.793 233.599,227.792 233.965,227.426 234.326,227.426 v2(234.35,227.45)
CKC_GTP_125_P: C236.2 IC4.F10 | length 20.9
  TopLayer w0.095: v2(221.372,220.815) IC4.F10@221.872,220.315 ; v2(234.025,227.025) 234.047,227.003 234.262,227.003 234.361,226.905 235.594,226.905 235.782,227.093 236.907,227.093 236.962,227.037 236.962,226.975 237.115,226.822 C236.2@237.14,226.822
  SignalLayer1 w0.115: v2(221.372,220.815) 221.755,221.198 223.214,221.198 224.214,222.198 224.659,222.198 224.99,222.528 224.99,222.973 225.214,223.197 225.655,223.197 225.99,223.532 225.99,224.973 226.192,225.175 226.775,225.175 229.157,227.558 230.707,227.558 233.502,227.557 234.025,227.034 v2(234.025,227.025)
CKI_FPGAIO_N: C6.1 IC1.14 R6.1 | length 2.3
  BottomLayer w0.095: IC1.14@138.35,214.928 138.35,213.457 138.35,212.795 C6.1@138.481,212.664
CKI_FPGAIO_P: C4.1 IC1.15 R4.1 | length 2.3
  BottomLayer w0.095: C4.1@137.719,212.664 137.85,212.795 137.85,213.457 IC1.15@137.85,214.928
CKI_GTP_N: C11.1 IC1.11 R8.1 | length 2.5
  BottomLayer w0.095: IC1.11@139.55,216.128 140.097,216.128 140.444,215.781 R8.1@140.894,215.781 141.059,215.616 C11.1@141.814,215.616
CKI_GTP_P: C8.1 IC1.12 R7.1 | length 2.6
  BottomLayer w0.095: IC1.12@139.55,215.628 139.597,215.58 140.13,215.58 R7.1@140.894,214.816 140.932,214.854 C8.1@141.814,214.854
CKIN0_N: C2.2 IC2.17 | length 2.3
  BottomLayer w0.095: C2.2@120.573,216.1 120.62,216.053 120.62,215.629 120.741,215.509 121.609,215.509 121.749,215.649 IC2.17@122.322,215.649
CKIN0_P: C1.2 IC2.16 | length 2.9
  BottomLayer w0.095: C1.2@119.811,216.1 120.622,215.289 121.609,215.289 121.749,215.149 IC2.16@122.322,215.149
CKIN1_N: C14.2 IC2.13 | length 1.4
  BottomLayer w0.095: C14.2@121,213.895 121.246,213.649 IC2.13@122.322,213.649
CKIN1_P: C5.2 IC2.12 | length 1.3
  BottomLayer w0.095: C5.2@121,213.133 121.016,213.149 IC2.12@122.322,213.149
CKOUT_1_N: C10.2 IC1.4 | length 12.3
  SignalLayer1 w0.165: v2(131.4,217.388) v2@131.413,217.4 ; v2@131.549,217.46 132.114,218.025 133.6,218.025 134.033,218.458 134.2,218.458 134.365,218.458 134.695,218.458 135.025,218.458 135.19,218.458 cw(c135.19,218.292) 135.355,218.292 135.355,217.523 ccw(c135.52,217.523) 135.52,217.358 ccw(c135.52,217.523) 135.685,217.523 135.685,218.292 cw(c135.85,218.292) 135.85,218.458 135.9,218.458 136.068,218.458 136.575,217.95 136.575,217.708 v2(135.995,217.128)
  BottomLayer w0.095: C10.2@130.125,215.525 130.403,215.802 130.616,215.802 130.8,215.986 130.8,217.403 130.925,217.527 131.26,217.527 v2(131.4,217.388) ; v2(135.995,217.128) IC1.4@136.65,217.128
CKOUT_1_P: C7.2 IC1.1 | length 13
  SignalLayer1 w0.165: v2@131.352,217.935 131.917,218.5 133.403,218.5 133.836,218.933 136.264,218.933 137.05,218.147 137.05,216.689 v2(135.989,215.628)
  BottomLayer w0.095: C7.2@130.125,216.3 130.403,216.022 130.525,216.022 130.58,216.077 130.58,217.494 130.834,217.748 131.26,217.748 v2(131.4,217.888) ; v2(135.989,215.628) IC1.1@136.65,215.628
CKOUT_D_1_N: C10.1 IC2.29 | length 1.5
  BottomLayer w0.095: IC2.29@128.122,215.649 128.695,215.649 128.834,215.789 129.161,215.789 C10.1@129.425,215.525
CKOUT_D_1_P: C7.1 IC2.28 | length 1.5
  BottomLayer w0.095: IC2.28@128.122,216.149 128.695,216.149 128.834,216.009 129.134,216.009 C7.1@129.425,216.3
CKOUT_D_2_N: C45.1 IC2.34 R38.2 | length 140.9
  SignalLayer1 w0.165: v2(137.422,227.602) 137.32,227.705 137.32,228.192 137.853,228.725 138.697,228.725 142.222,225.2 148.1,225.2 149.5,226.6 159.628,226.6 166.628,233.6 179.6,233.6 181.239,231.961 185.639,231.961 186.478,232.8 191.792,232.8 192.737,231.855 199.813,231.855 200.033,232.075 202.553,232.075 202.928,232.45 206.625,232.45 207.439,233.264 216.458,233.264 217.297,232.425 221.075,232.425 226.425,237.775 245.12,237.775 245.22,237.675 v1(245.475,237.675)
  BottomLayer w0.095: IC2.34@128.122,213.149 128.695,213.149 128.844,213 130.425,213 130.825,213.4 130.825,213.536 133.089,215.8 133.089,217.8 134.85,219.561 134.85,223.336 137.55,226.036 137.55,227.475 v2(137.422,227.602) ; v1(245.475,237.675) 245.608,237.675 245.748,237.535 246.105,237.535 R38.2@246.45,237.88 246.845,237.485 247.135,237.485 C45.1@247.375,237.725